# Altium PCB Fri3D_2020_Sweet4x4_01.PcbDoc (part 2 of 2)
Units mm, origin at the board's own origin, x right, y up, seen from the top; angles counter-clockwise.
Board outline 120 x 95 mm, 2 copper layers (Top Layer, Bottom Layer), stack 1.571 mm thick; 83 components, 47 nets, 500 pads, 32 vias.
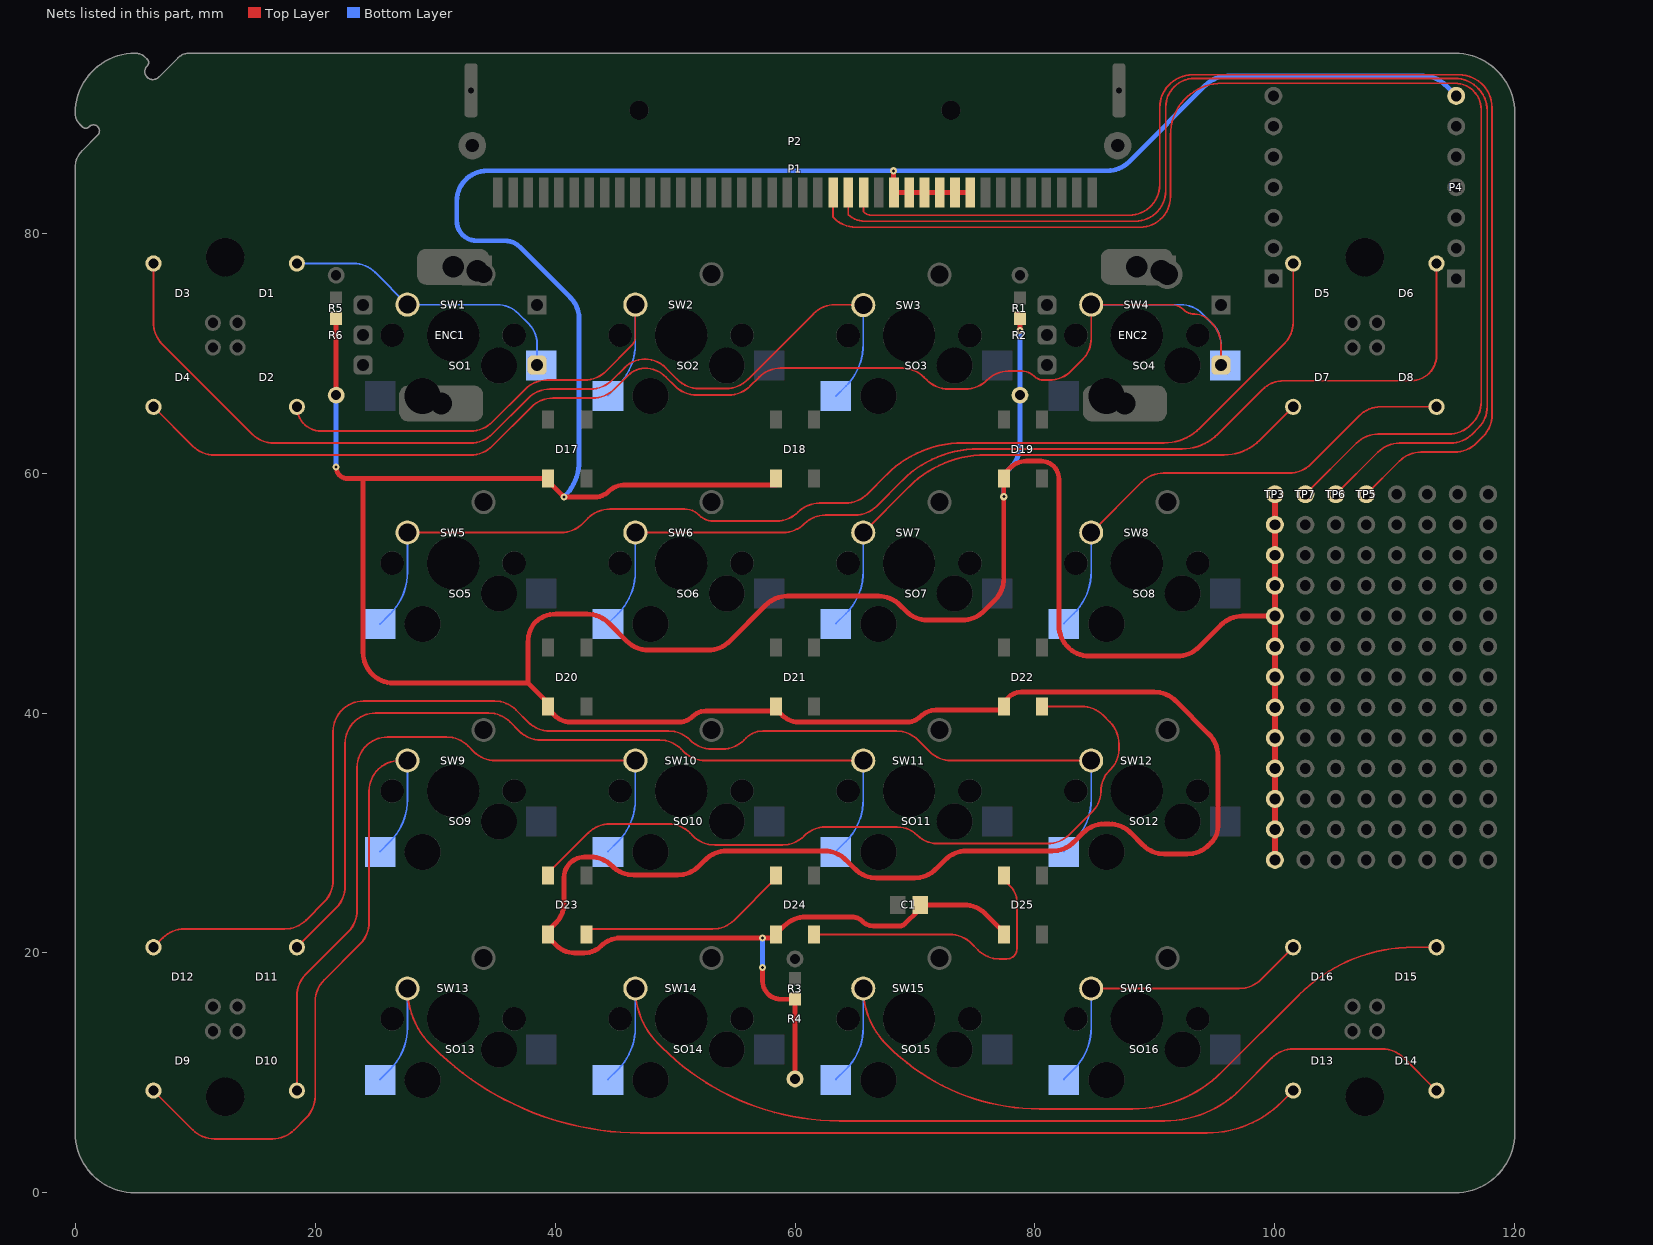
[diagram p2: the nets of this part, all layers, seen from the top]

## Via types
v1: diameter 0.6, hole 0.25, Top Layer to Bottom Layer, tented top, 32 vias

## Nets (pads, with @x,y where several pads share a name; then routed paths per layer and width w, separated by ;. In a path a pad name is that pad's centre, name@x,y a point inside that pad or via, vN(x,y) a via of type N, cw(c..) or ccw(c..) an arc to the next point about the centre after c; other vN are vias at no path point) (continued)
NetD22_2: D22.2 D23.4 | length 63.8
  Top Layer w0.15: D23.4@39.238,26.47 42.774,30.006 cw(c44.57,28.21) 44.57,30.75 49.448,30.75 cw(c49.448,28.21) 51.244,30.006 51.506,29.744 ccw(c53.302,31.54) 53.302,29 58.948,29 ccw(c58.948,31.54) 60.744,29.744 60.756,29.756 cw(c62.552,27.96) 62.552,30.5 68.524,30.5 cw(c68.524,28.144) 70.189,29.811 cw(c68.524,28.144) 70.19,29.81 ccw(c71.856,31.476) 70.191,29.809 ccw(c71.856,31.476) 71.856,29.12 81.068,29.12 ccw(c81.068,31.66) 82.864,29.864 84.812,31.812 ; D22.2@80.6,40.55 83.898,40.55 cw(c83.898,38.01) 85.694,39.806 86.256,39.244 cw(c84.46,37.448) 87,37.448 87,36.969 cw(c84.661,36.969) 86.315,35.315 86.226,35.226 ; 84.813,31.813 ccw(c83.15,33.473) 85.5,33.473 cw(c87.979,33.473) 86.225,35.225
NetD23_2: D23.2 D24.4 | length 18.1
  Top Layer w0.15: D23.2@42.6,21.55 42.6,22 53.135,22 ccw(c53.135,24.54) 54.931,22.744 58.4,26.213 D24.4@58.4,26.45
NetD24_2: D24.2 D25.4 | length 24.5
  Top Layer w0.15: D24.2@61.6,21.55 72.898,21.55 cw(c72.898,19.01) 74.694,20.806 75.256,20.244 ccw(c77.052,22.04) 77.052,19.5 77.646,19.5 ccw(c77.646,20.354) 78.249,19.749 ; D25.4@77.4,26.45 77.4,26.1 77.95,25.55 ; 77.951,25.549 cw(c76.622,24.222) 78.5,24.222 78.5,20.354 cw(c77.646,20.354) 78.25,19.75
S1: D1.A ENC1.2 SO1.1 SW1.2 | length 24.8
  Bottom Layer w0.15: D1.A@18.475,77.475 23.203,77.475 cw(c23.203,74.935) 24.999,76.731 SW1.2@27.69,74.04 35.158,74.04 cw(c35.158,71.5) 36.954,73.296 37.793,72.457 ; 37.793,72.457 cw(c36.086,70.75) 38.5,70.75 ENC1.2@38.5,69
S2: D2.A SO2.2 SW2.2 | length 43.5
  Top Layer w0.15: D2.A@18.475,65.525 ccw(c20.5,65.525) 20.5,63.5 32.948,63.5 ccw(c32.948,66.04) 34.744,64.244 37.506,67.006 cw(c39.302,65.21) 39.302,67.75 42.448,67.75 ccw(c42.448,70.29) 44.244,68.494 46.364,70.614 ccw(c45.579,71.4) 46.69,71.4 SW2.2@46.69,74.04
  Bottom Layer w0.15: SO2.2@44.41,66.46 45.249,67.299 ccw(c41.771,70.778) 46.69,70.778 SW2.2@46.69,74.04 SW2.2@46.69,74.08
S3: D3.A SO3.2 SW3.2 | length 83
  Top Layer w0.15: D3.A@6.525,77.475 6.525,72.527 ccw(c9.065,72.527) 7.269,70.731 14.756,63.244 ccw(c16.552,65.04) 16.552,62.5 32.948,62.5 ccw(c32.948,65.04) 34.744,63.244 37.756,66.256 cw(c39.552,64.46) 39.552,67 42.948,67 ccw(c42.948,69.54) 44.744,67.744 45.793,68.793 cw(c47.5,67.086) 47.5,69.5 cw(c47.5,67.086) 49.207,68.793 50.206,67.794 ccw(c52.002,69.59) 52.002,67.05 54.248,67.05 ccw(c54.248,69.59) 56.044,67.794 61.546,73.296 cw(c63.342,71.5) 63.342,74.04 SW3.2@65.69,74.04
  Bottom Layer w0.15: SO3.2@63.41,66.42 64.249,67.259 ccw(c60.771,70.738) 65.69,70.738 SW3.2@65.69,74.04
S4: D4.A ENC2.2 SO4.1 SW4.2 | length 118
  Top Layer w0.15: D4.A@6.528,65.523 9.806,62.244 ccw(c11.602,64.04) 11.602,61.5 32.948,61.5 ccw(c32.948,64.04) 34.744,62.244 38.006,65.506 cw(c39.802,63.71) 39.802,66.25 43.138,66.25 ccw(c43.138,68.79) 44.934,66.994 46.05,68.11 ; 46.051,68.111 cw(c47.595,66.565) 47.452,68.745 cw(c47.453,66.205) 49.249,68.001 50.006,67.244 ccw(c51.802,69.04) 51.802,66.5 54.448,66.5 ccw(c54.448,69.04) 56.244,67.244 57.006,68.006 cw(c58.802,66.21) 58.802,68.75 68.948,68.75 cw(c68.948,66.21) 70.744,68.006 71.006,67.744 ccw(c72.802,69.54) 72.802,67 74.198,67 ccw(c74.198,69.54) 75.994,67.744 76.006,67.756 cw(c77.802,65.96) 77.802,68.5 78.934,68.5 cw(c78.934,67.134) 79.9,68.1 ccw(c80.745,68.945) 80.745,67.75 81.198,67.75 ccw(c81.198,70.29) 82.994,68.494 83.946,69.446 ccw(c82.15,71.242) 84.69,71.242 SW4.2@84.69,74.04 91.401,74.04 cw(c91.401,72.691) 92.355,73.645 ; 92.356,73.644 ccw(c93.309,74.599) 93.309,73.25 cw(c93.309,71.581) 94.489,72.761 94.756,72.494 cw(c92.96,70.698) 95.5,70.698 ENC2.2@95.5,69
  Bottom Layer w0.15: SW4.2@84.69,74.04 92.158,74.04 cw(c92.158,71.5) 93.954,73.296 94.793,72.457 cw(c93.086,70.75) 95.5,70.75 ENC2.2@95.5,69
S5: D5.A SO5.2 SW5.2 | length 94.4
  Top Layer w0.15: SW5.2@27.69,55.04 40.488,55.04 ccw(c40.488,57.58) 42.284,55.784 42.756,56.256 cw(c44.552,54.46) 44.552,57 50.793,57 cw(c50.793,55.293) 51.999,56.501 ; 52,56.5 ccw(c53.207,57.707) 53.207,56 58.448,56 ccw(c58.448,58.54) 60.244,56.744 60.256,56.756 cw(c62.052,54.96) 62.052,57.5 64.213,57.5 ccw(c64.213,60.04) 66.009,58.244 67.645,59.88 cw(c74.016,53.51) 74.016,62.519 90.787,62.519 ccw(c90.787,66.701) 93.744,63.744 100.781,70.781 ccw(c98.985,72.577) 101.525,72.577 D5.A@101.525,77.475
  Bottom Layer w0.15: SO5.2@25.41,47.42 26.249,48.259 ccw(c22.771,51.738) 27.69,51.738 SW5.2@27.69,55.04
S6: D6.A SO6.2 SW6.2 | length 88.2
  Top Layer w0.15: SW6.2@46.69,55.04 59.008,55.04 ccw(c59.008,57.532) 60.769,55.769 ccw(c59.008,57.532) 60.77,55.77 cw(c62.532,54.008) 60.771,55.771 cw(c62.532,54.008) 62.532,56.5 65.003,56.5 ccw(c65.003,59.04) 66.799,57.244 68.935,59.38 cw(c75.305,53.01) 75.305,62.019 92.287,62.019 ccw(c92.287,66.201) 95.244,63.244 98.956,66.956 cw(c100.752,65.16) 100.752,67.7 111.353,67.7 ccw(c111.353,69.822) 113.475,69.822 D6.A@113.475,77.475
  Bottom Layer w0.15: SO6.2@44.41,47.46 45.249,48.299 ccw(c41.771,51.778) 46.69,51.778 SW6.2@46.69,55.08
S7: D7.A SO7.2 SW7.2 | length 48
  Top Layer w0.15: SW7.2@65.69,55.04 69.53,58.88 cw(c75.901,52.51) 75.901,61.519 95.786,61.519 ccw(c95.786,65.701) 98.744,62.744 D7.A@101.525,65.525
  Bottom Layer w0.15: SO7.2@63.41,47.46 64.249,48.299 ccw(c60.771,51.778) 65.69,51.778 SW7.2@65.69,55.08
S8: D8.A SO8.2 SW8.2 | length 41.2
  Top Layer w0.15: SW8.2@84.69,55.04 88.906,59.256 cw(c90.702,57.46) 90.702,60 101.198,60 ccw(c101.198,62.54) 102.994,60.744 107.031,64.781 cw(c108.827,62.985) 108.827,65.525 D8.A@113.475,65.525
  Bottom Layer w0.15: SO8.2@82.41,47.46 83.249,48.299 ccw(c79.771,51.778) 84.69,51.778 SW8.2@84.69,55.08
S9: D9.A SO9.2 SW9.2 | length 57
  Top Layer w0.15: D9.A@6.525,8.525 9.806,5.244 ccw(c11.602,7.04) 11.602,4.5 16.448,4.5 ccw(c16.448,7.04) 18.244,5.244 19.256,6.256 ccw(c17.46,8.052) 20,8.052 20,15.948 cw(c22.54,15.948) 20.744,17.744 23.756,20.756 ccw(c21.96,22.552) 24.5,22.552 24.5,33.5 cw(c27.04,33.5) 24.965,34.965 cw(c27.04,33.5) 25.575,35.575 cw(c27.04,33.5) 27.04,36.04 SW9.2@27.69,36.04
  Bottom Layer w0.15: SO9.2@25.41,28.46 26.249,29.299 ccw(c22.771,32.778) 27.69,32.778 SW9.2@27.69,36.08
S10: D10.A SO10.2 SW10.2 | length 62.4
  Top Layer w0.15: D10.A@18.475,8.525 18.475,16.423 cw(c21.015,16.423) 19.219,18.219 22.756,21.756 ccw(c20.96,23.552) 23.5,23.552 23.5,35.46 cw(c26.04,35.46) 26.04,38 30.948,38 cw(c30.948,35.46) 32.744,37.256 33.216,36.784 ccw(c35.012,38.58) 35.012,36.04 SW10.2@46.69,36.04
  Bottom Layer w0.15: SO10.2@44.41,28.46 45.249,29.299 ccw(c41.771,32.778) 46.69,32.778 SW10.2@46.69,36.08
S11: D11.A SO11.2 SW11.2 | length 72.7
  Top Layer w0.15: D11.A@18.475,20.475 21.756,23.756 ccw(c19.96,25.552) 22.5,25.552 22.5,37.46 cw(c25.04,37.46) 25.04,40 34.448,40 cw(c34.448,37.46) 36.244,39.256 37.006,38.494 ccw(c38.802,40.29) 38.802,37.75 48.698,37.75 cw(c48.698,35.21) 50.494,37.006 50.716,36.784 ccw(c52.512,38.58) 52.512,36.04 SW11.2@65.69,36.04
  Bottom Layer w0.15: SO11.2@63.41,28.46 64.249,29.299 ccw(c60.771,32.778) 65.69,32.778 SW11.2@65.69,36.08
S12: D12.A SO12.2 SW12.2 | length 105.4
  Top Layer w0.15: D12.A@6.525,20.475 7.306,21.256 cw(c9.102,19.46) 9.102,22 17.448,22 ccw(c17.448,24.54) 19.244,22.744 20.756,24.256 ccw(c18.96,26.052) 21.5,26.052 21.5,38.46 cw(c24.04,38.46) 24.04,41 34.948,41 cw(c34.948,38.46) 36.744,40.256 37.756,39.244 ccw(c39.552,41.04) 39.552,38.5 49.448,38.5 cw(c49.448,35.96) 51.244,37.756 51.256,37.744 ccw(c53.052,39.54) 53.052,37 53.948,37 ccw(c53.948,39.54) 55.744,37.744 55.918,37.918 cw(c57.324,36.512) 57.324,38.5 68.448,38.5 cw(c68.448,35.96) 70.244,37.756 71.216,36.784 ccw(c73.012,38.58) 73.012,36.04 SW12.2@84.69,36.04
  Bottom Layer w0.15: SO12.2@82.41,28.46 83.249,29.299 ccw(c79.771,32.778) 84.69,32.778 SW12.2@84.69,36.08
S13: D13.A SO13.2 SW13.2 | length 88.5
  Top Layer w0.15: SW13.2@27.69,17.04 ccw(c34.341,17.04) 29.638,12.337 29.793,12.182 ccw(c47.131,29.52) 47.131,5 94.336,5 ccw(c94.336,13.845) 100.59,7.591 D13.A@101.525,8.525
  Bottom Layer w0.15: SO13.2@25.41,9.46 26.249,10.299 ccw(c22.771,13.778) 27.69,13.778 SW13.2@27.69,17.08
S14: D14.A SO14.2 SW14.2 | length 83.4
  Top Layer w0.15: SW14.2@46.69,17.04 ccw(c53.208,17.04) 48.599,12.431 48.904,12.126 ccw(c63.694,26.916) 63.694,6 90.796,6 ccw(c90.796,14.941) 97.119,8.619 99.756,11.256 cw(c101.552,9.46) 101.552,12 108.948,12 cw(c108.948,9.46) 110.744,11.256 D14.A@113.475,8.525
  Bottom Layer w0.15: SO14.2@44.41,9.46 45.249,10.299 ccw(c41.771,13.778) 46.69,13.778 SW14.2@46.69,17.08
S15: D15.A SO15.2 SW15.2 | length 65.4
  Top Layer w0.15: SW15.2@65.69,17.04 ccw(c72.281,17.04) 67.62,12.38 67.775,12.225 ccw(c80.389,24.839) 80.389,7 88.129,7 ccw(c88.129,17.553) 95.591,10.091 102.015,16.515 cw(c111.575,6.954) 111.575,20.475 D15.A@113.475,20.475
  Bottom Layer w0.15: SO15.2@63.41,9.46 64.249,10.299 ccw(c60.771,13.778) 65.69,13.778 SW15.2@65.69,17.08
S16: D16.A SO16.2 SW16.2 | length 26.5
  Top Layer w0.15: SW16.2@84.69,17.04 97.038,17.04 ccw(c97.038,19.58) 98.834,17.784 D16.A@101.525,20.475
  Bottom Layer w0.15: SO16.2@82.41,9.46 83.249,10.299 ccw(c79.771,13.778) 84.69,13.778 SW16.2@84.69,17.08
SPI.MISO: P1.24 P2.24 TP6.1 | length 107.2
  Top Layer w0.15: 64.445,81.555 P1.24@64.445,83.4 ; 64.446,81.554 ccw(c65.785,82.895) 65.785,81 88.36,81 ccw(c88.36,83.54) 90.9,83.54 90.9,90.5 cw(c93.3,90.5) 93.3,92.9 115,92.9 cw(c115,90.2) 117.7,90.2 117.7,65.552 cw(c115.16,65.552) 116.956,63.756 116.444,63.244 cw(c114.648,65.04) 114.648,62.5 110.392,62.5 ccw(c110.392,59.96) 108.596,61.756 TP6.1@105.08,58.24
SPI.MOSI: P1.25 P2.25 TP5.1 | length 104.2
  Top Layer w0.15: P1.25@65.715,83.4 65.715,81.785 65.75,81.75 ccw(c66.354,82.354) 66.354,81.5 87.86,81.5 ccw(c87.86,84.04) 90.4,84.04 90.4,90.46 cw(c93.14,90.46) 93.14,93.2 115.36,93.2 cw(c115.36,90.46) 118.1,90.46 118.1,64.852 cw(c115.56,64.852) 117.356,63.056 116.794,62.494 cw(c114.998,64.29) 114.998,61.75 112.182,61.75 ccw(c112.182,59.21) 110.386,61.006 TP5.1@107.62,58.24
SPI.SCLK: P1.23 P2.23 TP7.1 | length 109.1
  Top Layer w0.15: P1.23@63.175,83.4 63.175,81.325 63.256,81.244 ccw(c65.052,83.04) 65.052,80.5 88.76,80.5 ccw(c88.76,83.04) 91.3,83.04 91.3,88.2 cw(c95.6,88.2) 95.6,92.5 115,92.5 cw(c115,90.3) 117.2,90.3 117.2,65.952 cw(c114.66,65.952) 116.456,64.156 116.294,63.994 cw(c114.498,65.79) 114.498,63.25 108.602,63.25 ccw(c108.602,60.71) 106.806,62.506 TP7.1@102.54,58.24
VSYS: C1.1 D17.1 D18.1 D19.1 D20.1 D21.1 D22.1 D23.1 D24.1 D25.1 P1.27 P1.28 P1.29 P1.30 P1.31 P1.32 P2.27 P2.28 P2.29 P2.30 P2.31 P2.32 P4.7 pad.0@100,27.76 pad.0@100,30.3 pad.0@100,32.84 pad.0@100,35.38 pad.0@100,37.92 pad.0@100,40.46 pad.0@100,43 pad.0@100,45.54 pad.0@100,48.08 pad.0@100,50.62 pad.0@100,53.16 pad.0@100,55.7 R1.1 R2.1 R3.1 R4.1 R5.1 R6.1 TP3.1 | length 542.3
  Top Layer w0.4: v1(21.75,60.5) ccw(c22.7,60.5) 22.7,59.55 24,59.55 ; R6.1@21.75,66.5 R5.1@21.75,72.9 ; 51.46,39.71 cw(c50.349,40.822) 50.349,39.25 41.278,39.25 cw(c41.278,41.128) 39.95,39.8 39.4,40.35 D20.1@39.4,40.55 39.4,40.85 37.75,42.5 ; 51.461,39.711 cw(c52.568,38.603) 52.568,40.169 58.4,40.169 D21.1@58.4,40.35 ; v1(57.295,18.8) 57.295,17.659 ccw(c58.803,17.659) 58.803,16.15 R3.1@60,16.15 R4.1@60,9.5 ; D21.1@58.4,40.55 D21.1@58.4,40.35 ; D18.1@58.4,59.55 58.4,59 45.707,59 ccw(c45.707,57.293) 44.5,58.5 cw(c43.293,59.707) 43.293,58 v1(40.75,58) 39.4,59.35 D17.1@39.4,59.55 24,59.55 ; 65.625,22.625 ccw(c66.53,23.53) 66.53,22.25 68.74,22.25 ccw(c68.74,22.817) 69.141,22.416 70.255,23.53 ccw(c69.786,24) C1.1@70.45,24 74.123,24 cw(c74.123,21.565) 75.844,23.287 ; 65.624,22.626 ccw(c64.72,21.72) 64.72,23 60.902,23 ccw(c60.902,20.46) 59.106,22.256 D24.1@58.4,21.55 58.1,21.25 v1(57.295,21.25) 45.451,21.25 ccw(c45.451,18.954) 43.828,20.578 ccw(c45.451,18.954) 43.827,20.577 cw(c42.433,21.971) 42.433,20 41.617,20 cw(c41.617,22.093) 40.137,20.613 39.4,21.35 D23.1@39.4,21.55 39.4,21.84 40.075,22.515 ccw(c38.445,24.145) 40.076,22.516 ccw(c38.445,24.145) 40.75,24.145 40.75,26.293 cw(c42.457,26.293) 41.25,27.5 cw(c42.457,26.293) 42.457,28 42.948,28 cw(c42.948,25.46) 44.744,27.256 44.756,27.244 ccw(c46.552,29.04) 46.552,26.5 50.198,26.5 ccw(c50.198,29.04) 51.994,27.244 52.506,27.756 cw(c54.302,25.96) 54.302,28.5 62.448,28.5 cw(c62.448,25.96) 64.244,27.756 65.006,26.994 ccw(c66.802,28.79) 66.802,26.25 69.948,26.25 ccw(c69.948,28.79) 71.744,26.994 72.506,27.756 cw(c74.302,25.96) 74.302,28.5 81.448,28.5 ccw(c81.448,31.04) 83.244,29.244 84.006,30.006 cw(c85.802,28.21) 85.802,30.75 86.198,30.75 cw(c86.198,28.21) 87.994,30.006 89.006,28.994 ccw(c90.802,30.79) 90.802,28.25 92.698,28.25 ccw(c92.698,30.79) 94.494,28.994 94.71,29.21 ccw(c93.407,30.513) 95.25,30.513 95.25,36.448 ccw(c92.71,36.448) 94.506,38.244 91.744,41.006 ccw(c89.948,39.21) 89.948,41.75 78.851,41.75 ccw(c78.851,40.299) 77.825,41.325 77.4,40.9 D22.1@77.4,40.55 77.4,40.25 71.763,40.25 ccw(c71.763,38.407) 70.46,39.71 cw(c69.349,40.822) 69.349,39.25 60.278,39.25 cw(c60.278,41.128) 58.95,39.8 D21.1@58.4,40.35 ; v1(68.2,85.2) 68.2,83.455 P1.27@68.255,83.4 P1.28@69.525,83.4 P1.29@70.795,83.4 P1.30@72.065,83.4 P1.31@73.335,83.4 P1.32@74.605,83.4 ; 75.845,23.287 77.4,21.731 D25.1@77.4,21.55 ; v1(78.75,71.897) R1.1@78.75,72.9 ; pad.0@100,48.08 97.299,48.08 ccw(c97.299,45.54) 95.503,47.336 93.661,45.494 cw(c91.865,47.29) 91.865,44.75 84.54,44.75 cw(c84.54,47.29) 82,47.29 82,59.5 ccw(c80.5,59.5) 80.5,61 79.278,61 ccw(c79.278,59.122) 77.95,60.45 77.4,59.9 D19.1@77.4,59.55 v1(77.4,58.036) 77.4,51.202 cw(c74.86,51.202) 76.656,49.406 75.744,48.494 cw(c73.948,50.29) 73.948,47.75 71.052,47.75 cw(c71.052,50.29) 69.256,48.494 68.744,49.006 ccw(c66.948,47.21) 66.948,49.75 59.374,49.75 ccw(c59.374,47.21) 57.578,49.006 54.565,45.994 cw(c52.769,47.79) 52.769,45.25 47.774,45.25 cw(c47.774,47.79) 45.978,45.994 44.466,47.506 ccw(c42.67,45.71) 42.67,48.25 40.058,48.25 ccw(c40.058,45.756) 38.295,47.519 ccw(c40.29,45.948) 37.75,45.948 37.75,42.5 ; 24,59.55 24,45.04 ccw(c26.54,45.04) 26.54,42.5 37.75,42.5
  Top Layer w0.5: pad.0@100,27.76 pad.0@100,30.3 pad.0@100,32.84 pad.0@100,35.38 pad.0@100,37.92 pad.0@100,40.46 pad.0@100,43 pad.0@100,45.54 pad.0@100,48.08 pad.0@100,50.62 pad.0@100,53.16 pad.0@100,55.7 TP3.1@100,58.24
  Bottom Layer w0.4: v1(21.75,60.5) R6.1@21.75,66.5 ; v1(40.75,58) ccw(c37.732,61.018) 42,61.018 42,72.9 ccw(c39.586,72.9) 41.293,74.607 37.039,78.861 ccw(c35.812,77.633) 35.812,79.369 33.465,79.369 cw(c33.465,81.034) 31.8,81.034 31.8,82.66 cw(c34.34,82.66) 34.34,85.2 v1(68.2,85.2) 86.048,85.2 ccw(c86.048,87.74) 87.844,85.944 94.256,92.356 cw(c96.052,90.56) 96.052,93.1 112.408,93.1 cw(c112.408,90.56) 114.204,92.356 P4.7@115.115,91.445 ; v1(57.295,18.8) v1(57.295,21.25) ; v1(77.4,58.036) 77.4,59.043 cw(c79.469,59.043) 78.006,60.506 ccw(c76.21,62.302) 78.75,62.302 R2.1@78.75,66.5 v1(78.75,71.897)
pads on no net: ENC1.MH2 ENC2.MH2 P1.M1 P1.M2 P2.0 P2.M1 P2.M2 SO1.0 SO2.0 SO3.0 SO4.0 SO5.0 SO6.0 SO7.0 SO8.0 SO9.0 SO10.0 SO11.0 SO12.0 SO13.0 SO14.0 SO15.0 SO16.0 SW1.0 SW2.0 SW3.0 SW4.0 SW5.0 SW6.0 SW7.0 SW8.0 SW9.0 SW10.0 SW11.0 SW12.0 SW13.0 SW14.0 SW15.0 SW16.0

## Polygon pours and split planes (outlines as drawn)
GND on Bottom Layer "NONET_L-01_P-001" (solid, remove dead copper, pour order 0): 0,95 120,95 120,0 0,0
GND on Top Layer "NONET_L-01_P-001" (solid, remove dead copper, pour order 1): 0,95 120,95 120,0 0,0

## Keep-outs
Keep-Out Layer:
  circle w0.254: c12.5,8 r3
  circle w0.254: c12.5,78 r3
  circle w0.254: c107.5,78 r3
  circle w0.254: c107.5,8 r3
  text ".Layer_Name" at 264.902,-46.311 h3.5

## Other copper
Top Layer:
  text ".Layer_Name" at 264.902,-46.311 h3.5
Bottom Layer:
  text ".Layer_Name" at 264.902,-46.311 h3.5

## Silkscreen, mask and mechanical layers (free items; w line width, h text height)
Top Overlay:
  drawing of 127 lines, arcs and shapes, not listed
  text "+VSYS" at 100.654,59.78 h2.5 r90
  text "SCLK" at 103.194,59.78 h2.5 r90
  text "MISO" at 105.734,59.78 h2.5 r90
  text "MOSI" at 108.274,59.78 h2.5 r90
  text "IO4" at 110.814,59.78 h2.5 r90
  text "SDA*" at 113.381,59.78 h2.5 r90
  text "SCL*" at 115.921,59.78 h2.5 r90
  text "GND" at 118.434,59.78 h2.5 r90
  text "GND" at 118.434,21.376 h2.5 r90
  text "+VSYS" at 100.654,20.456 h2.5 r90
  text "LEDo" at 103.194,20.456 h2.5 r90
  text "IO36" at 105.799,20.456 h2.5 r90
  text "IO25" at 108.274,20.456 h2.5 r90
  text "IO39" at 110.814,20.456 h2.5 r90
  text "IO2" at 113.354,20.456 h2.5 r90
  text ".Layer_Name" at 264.902,-46.311 h3.5
Bottom Overlay:
  drawing of 133 lines, arcs and shapes, not listed
  text "Wim" at 117,5 h2 r351
  text "DRIES" at 116,2 h2 r351
  text ".PCB_TITLE / Rev. .PCB_Rev" at 120,1 h3
  text ".Layer_Name" at 264.902,-46.311 h3.5
Top Paste:
  rectangle: 86.4,89.6 87.6,94.24
  rectangle: 32.4,89.6 33.6,94.24
  region: 31.9,87.3 ccw(c33.1,87.3) 33.1,86.1 ccw(c33.1,87.3) 34.3,87.3 ccw(c33.1,87.3) 33.1,88.5 ccw(c33.1,87.3)
  region: 85.7,87.3 ccw(c86.9,87.3) 86.9,86.1 ccw(c86.9,87.3) 88.1,87.3 ccw(c86.9,87.3) 86.9,88.5 ccw(c86.9,87.3)
  text ".Layer_Name" at 264.902,-46.311 h3.5
Bottom Paste:
  text ".Layer_Name" at 264.902,-46.311 h3.5
Top Solder:
  text ".Layer_Name" at 264.902,-46.311 h3.5
Bottom Solder:
  text ".Layer_Name" at 264.902,-46.311 h3.5
Drill Guide:
  text ".Layer_Name" at 264.902,-46.311 h3.5
3D Symbols:
  text ".Layer_Name" at 264.902,-46.311 h3.5
Outline:
  lines w0.1: 4.146,93.146 cw(c4.5,92.793) 4.854,93.146 ; 4.149,93.149 1.854,90.854 ccw(c2.207,90.5) 1.854,90.146 3.146,88.854 ccw(c3.5,89.207) 3.854,88.854 6.149,91.149 ; 4.851,93.149 6.149,91.851 ; 6.146,91.146 ccw(c5.793,91.5) 6.146,91.854 ; 16.18,51.233 cw(c16.533,51.587) 16.538,52.087 ; 16.197,51.216 16.356,51.057 16.516,50.897 ; 16.485,53.084 cw(c16.48,53.584) 16.127,53.938 16.356,54.168 16.586,54.398 cw(c16.94,54.044) 17.44,54.039 17.788,53.69 ccw(c17.965,53.867) 18.142,53.69 18.438,53.986 cw(c18.937,53.991) 19.291,54.345 ; 16.485,53.085 16.834,52.736 cw(c16.657,52.559) 16.834,52.382 16.538,52.087 ; 16.533,50.88 ccw(c16.887,51.233) 17.387,51.238 ; 17.387,51.238 17.682,51.534 cw(c17.859,51.357) 18.036,51.534 18.385,51.185 ; 18.384,51.185 ccw(c18.884,51.18) 19.238,50.827 19.468,51.057 19.698,51.286 ccw(c19.344,51.64) 19.339,52.14 18.99,52.488 cw(c19.167,52.665) 18.99,52.842 19.286,53.138 ccw(c19.291,53.637) 19.645,53.991 ; 19.309,54.327 19.468,54.168 19.627,54.009 ; 120,10 130,10 130,85 120,85 ; 0,5 ccw(c5,5) 5,0 115,0 ccw(c115,5) 120,5 120,90 ccw(c115,90) 115,95 9.5,95 ccw(c9.5,93.669) 8.559,94.61 6.973,93.024 cw(c6.475,93.475) 6.024,93.973 ccw(c5.749,94.224) 6,94.5 5.854,94.646 ccw(c5,93.793) 5,95 ccw(c5,90) 0,90 ccw(c1.296,90) 0.379,89.084 0.627,88.836 ccw(c0.879,89.112) 1.154,88.86 cw(c1.525,88.525) 1.86,88.154 0.561,86.855 ccw(c1.916,85.5) 0,85.5 0,5 ; 5.5,27.5 ccw(c7,27.5) 7,26 18,26 ccw(c18,27.5) 19.5,27.5 19.5,40.1 ccw(c18,40.1) 18,41.6 7,41.6 ccw(c7,40.1) 5.5,40.1 5.5,27.5
Comments:
  region: -16,54.15 -16,50.05 -14.83,50.05 -14.83,54.15
  rectangle: -17.465,51.515 -13.365,52.685
  region: -6.585,53.6 -6.585,49.5 -5.415,49.5 -5.415,53.6
  rectangle: -8.05,51.015 -3.95,52.185
  lines w0.1: -18.3,46.8 ccw(c-17.8,46.8) -17.443,46.45 -17.025,46.45 cw(c-17.025,46.2) -16.775,46.2 -16.775,45.707 ; -18.3,46.825 -18.3,47.05 -18.3,47.275 ; -18.3,47.3 cw(c-17.8,47.3) -17.443,47.65 -17.025,47.65 ccw(c-17.025,47.9) -16.775,47.9 -16.775,48.393 ; -16.775,45.707 ccw(c-16.425,45.35) -16.425,44.85 -16.1,44.85 -15.775,44.85 ccw(c-15.775,45.35) -15.425,45.707 -15.425,46.2 cw(c-15.175,46.2) -15.175,46.45 -14.757,46.45 ccw(c-14.4,46.8) -13.9,46.8 ; -16.775,48.393 cw(c-16.425,48.75) -16.425,49.25 -16.1,49.25 -15.775,49.25 cw(c-15.775,48.75) -15.425,48.393 -15.425,47.9 ccw(c-15.175,47.9) -15.175,47.65 -14.757,47.65 cw(c-14.4,47.3) -13.9,47.3 ; -13.9,46.825 -13.9,47.05 -13.9,47.275 ; -12.815,52.015 ccw(c-12.315,52.015) -12.315,51.515 -11.25,51.515 cw(c-11.25,51.265) -11,51.265 -11,50.2 ccw(c-10.5,50.2) -10.5,49.7 -10.33,49.7 ccw(c-10.33,50.2) -9.83,50.2 -9.83,51.265 cw(c-9.58,51.265) -9.58,51.515 -8.515,51.515 ccw(c-8.515,52.015) -8.015,52.015 -8.015,52.185 ccw(c-8.515,52.185) -8.515,52.685 -9.58,52.685 cw(c-9.58,52.935) -9.83,52.935 -9.83,54 ccw(c-10.33,54) -10.33,54.5 -10.5,54.5 ccw(c-10.5,54) -11,54 -11,52.935 cw(c-11.25,52.935) -11.25,52.685 -12.315,52.685 ccw(c-12.315,52.185) -12.815,52.185 -12.815,52.015
  text ".Layer_Name" at 264.902,-46.311 h3.5
Fabrication:
  lines w0.15: 120.25,86 120.25,85.5 ; 120.75,85.5 120.25,85.5 ; 123,86.75 121.5,86.75 120.25,85.5
  text "V-CUT" at 123.4,86.35 h0.8
  text "Black Solder Mask" at -31,-7 h1.5
  text "White Silkscreen" at -31,-10 h1.5
  text "1.6mm Thickness" at -31,-16 h1.5
  text ".Layer_Name" at 264.902,-46.311 h3.5
Placebound Top:
  text ".Layer_Name" at 264.902,-46.311 h3.5
Placebound Bottom:
  text ".Layer_Name" at 264.902,-46.311 h3.5
Comments 2:
  region: 154.5,19 ccw(c157,19) 157,16.5 ccw(c157,19) 159.5,19 ccw(c157,19) 157,21.5 ccw(c157,19)
  region: 154.5,76 cw(c157,76) 157,78.5 cw(c157,76) 159.5,76 cw(c157,76) 157,73.5 cw(c157,76)
  lines w0.15: 176,115 -62.5,115 -62.5,-20 176,-20 176,115
Frame:
  drawing of 15 lines, arcs and shapes, not listed
  text "Document" at 260.402,-31.311 h2
  text ".PCB_TITLE" at 261.902,-36.811 h3.2
  text "Layer Name" at 260.402,-41.311 h2
  text "Date" at 260.402,-51.311 h2
  text "Rev" at 300.402,-51.311 h2
  text ".Print_Date" at 263.402,-56.811 h3.5
  text ".PCB_REV" at 304.902,-56.811 h4
  text "Desginer" at 210.402,-61.311 h2
  text "Document" at 260.402,-61.311 h2
  text ".Pcb_File_Name_No_Path" at 261.902,-66.311 h1.5
  text ".PCB_ENGINEER" at 214.902,-66.811 h4
Assembly Top:
  text ".Layer_Name" at 264.902,-46.311 h3.5
Assembly Bottom:
  text ".Layer_Name" at 264.902,-46.311 h3.5
Drill Drawing:
  circle w0.15: c181.59,58.444 r0.444
  circle w0.15: c181.59,44.444 r0.267
  circle w0.15: c181.59,44.444 r0.444
  lines w0.15: 180.343,33.4 326.289,33.4 ; 180.343,65.4 326.289,65.4 ; 187.742,31.4 187.742,67.4 ; 195.773,31.4 195.773,67.4 ; 211.402,31.4 211.402,67.4 ; 218.2,31.4 218.2,67.4 ; 228.037,31.4 228.037,67.4 ; 248.065,31.4 248.065,67.4 ; 255.983,31.4 255.983,67.4 ; 270.545,31.4 270.545,67.4 ; 291.905,31.4 291.905,67.4 ; 307.534,31.4 307.534,67.4 ; 180.343,31.4 326.289,31.4 326.289,67.4 180.343,67.4 180.343,31.4 ; 181.146,34.222 181.368,34.222 181.368,34 181.812,34 181.812,34.222 182.035,34.222 182.035,34.667 181.812,34.667 181.812,34.889 181.368,34.889 181.368,34.667 181.146,34.667 181.146,34.222 ; 181.146,36.444 181.59,36 182.035,36.444 181.59,36.889 181.146,36.444 ; 181.146,38 181.146,38.222 181.368,38.444 181.146,38.667 181.146,38.889 181.368,38.889 181.59,38.667 181.812,38.889 182.035,38.889 182.035,38.667 181.812,38.444 182.035,38.222 182.035,38 181.812,38 181.59,38.222 181.368,38 181.146,38 ; 181.146,40.889 182.035,40.889 181.59,40 181.146,40.889 ; 181.146,46 182.035,46 182.035,46.889 181.146,46.889 181.146,46 ; 181.146,48.222 181.368,48.222 181.59,48 181.812,48.222 182.035,48.222 181.812,48.444 182.035,48.667 181.812,48.667 181.59,48.889 181.368,48.667 181.146,48.667 181.368,48.444 181.146,48.222 ; 181.146,50.222 181.368,50.222 181.59,50 181.812,50.222 182.035,50.222 181.812,50.444 182.035,50.667 181.812,50.667 181.59,50.889 181.368,50.667 181.146,50.667 181.368,50.444 181.146,50.222 ; 181.146,60 182.035,60 182.035,60.889 181.146,60.889 181.146,60 ; 181.146,62.889 182.035,62.889 181.59,62 181.146,62.889 ; 181.324,40.711 181.857,40.711 181.59,40.178 181.324,40.711 ; 181.324,46.178 181.857,46.178 181.857,46.711 181.324,46.711 181.324,46.178 ; 181.324,50.311 181.457,50.311 181.59,50.178 181.724,50.311 181.857,50.311 181.724,50.444 181.857,50.578 181.724,50.578 181.59,50.711 181.457,50.578 181.324,50.578 181.457,50.444 181.324,50.311
  text "Symbol" at 181.543,66 h0.96
  text "Count" at 188.342,66 h0.96
  text "Hole Size" at 196.373,66 h0.96
  text "Plated" at 212.002,66 h0.96
  text "Hole Type" at 218.8,66 h0.96
  text "Drill Layer Pair" at 228.637,66 h0.96
  text "Via/Pad" at 248.665,66 h0.96
  text "Pad Shape" at 256.583,66 h0.96
  text "Template" at 271.145,66 h0.96
  text "Hole Length" at 292.505,66 h0.96
  text "Routed Path Length" at 308.134,66 h0.96
  text "1" at 188.342,64 h0.8
  text "1,800mm (70,87mil)" at 196.373,64 h0.8
  text "PTH" at 212.002,64 h0.8
  text "Round" at 218.8,64 h0.8
  text "Top Layer - Bottom Layer" at 228.637,64 h0.8
  text "Pad" at 248.665,64 h0.8
  text "Rounded" at 256.583,64 h0.8
  text "c250h180m250" at 271.145,64 h0.8
  text "-" at 292.505,64 h0.8
  text "-" at 308.134,64 h0.8
  text "E" at 181.144,63.85 h0.89
  text "2" at 188.342,62 h0.8
  text "0,500mm (19,69mil)" at 196.373,62 h0.8
  text "PTH" at 212.002,62 h0.8
  text "Slot" at 218.8,62 h0.8
  text "Top Layer - Bottom Layer" at 228.637,62 h0.8
  text "Pad" at 248.665,62 h0.8
  text "Rounded Rectangle" at 256.583,62 h0.8
  text "r110_450h50_180r50x110_250" at 271.145,62 h0.8
  text "1,800mm (70,87mil)" at 292.505,62 h0.8
  text "1,300mm (51,18mil)" at 308.134,62 h0.8
  text "2" at 188.342,60 h0.8
  text "1,100mm (43,31mil)" at 196.373,60 h0.8
  text "PTH" at 212.002,60 h0.8
  text "Round" at 218.8,60 h0.8
  text "Top Layer - Bottom Layer" at 228.637,60 h0.8
  text "Pad" at 248.665,60 h0.8
  text "Rounded" at 256.583,60 h0.8
  text "c230h110x180" at 271.145,60 h0.8
  text "-" at 292.505,60 h0.8
  text "-" at 308.134,60 h0.8
  text "2" at 188.342,58 h0.8
  text "1,600mm (62,99mil)" at 196.373,58 h0.8
  text "NPTH" at 212.002,58 h0.8
  text "Round" at 218.8,58 h0.8
  text "Top Layer - Bottom Layer" at 228.637,58 h0.8
  text "Pad" at 248.665,58 h0.8
  text "Rounded" at 256.583,58 h0.8
  text "c160hn160" at 271.145,58 h0.8
  text "-" at 292.505,58 h0.8
  text "-" at 308.134,58 h0.8
  text "2" at 188.342,56 h0.8
  text "1,800mm (70,87mil)" at 196.373,56 h0.8
  text "PTH" at 212.002,56 h0.8
  text "Slot" at 218.8,56 h0.8
  text "Top Layer - Bottom Layer" at 228.637,56 h0.8
  text "Pad" at 248.665,56 h0.8
  text "Rectangle" at 256.583,56 h0.8
  text "s250h180_300" at 271.145,56 h0.8
  text "3,000mm (118,11mil)" at 292.505,56 h0.8
  text "1,200mm (47,24mil)" at 308.134,56 h0.8
  text "D" at 181.144,55.85 h0.89
  text "2" at 188.342,54 h0.8
  text "1,800mm (70,87mil)" at 196.373,54 h0.8
  text "PTH" at 212.002,54 h0.8
  text "Slot" at 218.8,54 h0.8
  text "Top Layer - Bottom Layer" at 228.637,54 h0.8
  text "Pad" at 248.665,54 h0.8
  text "Rounded Rectangle" at 256.583,54 h0.8
  text "r300_600h180_470r50" at 271.145,54 h0.8
  text "4,700mm (185,04mil)" at 292.505,54 h0.8
  text "2,900mm (114,17mil)" at 308.134,54 h0.8
  text "G" at 181.144,53.85 h0.89
  text "2" at 188.342,52 h0.8
  text "1,800mm (70,87mil)" at 196.373,52 h0.8
  text "PTH" at 212.002,52 h0.8
  text "Slot" at 218.8,52 h0.8
  text "Top Layer - Bottom Layer" at 228.637,52 h0.8
  text "Pad" at 248.665,52 h0.8
  text "Rounded Rectangle" at 256.583,52 h0.8
  text "r300_700h180_550r50" at 271.145,52 h0.8
  text "5,500mm (216,54mil)" at 292.505,52 h0.8
  text "3,700mm (145,67mil)" at 308.134,52 h0.8
  text "F" at 181.144,51.85 h0.89
  text "4" at 188.342,50 h0.8
  text "3,200mm (125,98mil)" at 196.373,50 h0.8
  text "NPTH" at 212.002,50 h0.8
  text "Round" at 218.8,50 h0.8
  text "Top Layer - Bottom Layer" at 228.637,50 h0.8
  text "Pad" at 248.665,50 h0.8
  text "Rounded" at 256.583,50 h0.8
  text "c320hn320m470" at 271.145,50 h0.8
  text "-" at 292.505,50 h0.8
  text "-" at 308.134,50 h0.8
  text "10" at 188.342,48 h0.8
  text "1,000mm (39,37mil)" at 196.373,48 h0.8
  text "PTH" at 212.002,48 h0.8
  text "Round" at 218.8,48 h0.8
  text "Top Layer - Bottom Layer" at 228.637,48 h0.8
  text "Pad" at 248.665,48 h0.8
  text "(Mixed)" at 256.583,48 h0.8
  text "(Mixed)" at 271.145,48 h0.8
  text "-" at 292.505,48 h0.8
  text "-" at 308.134,48 h0.8
  text "22" at 188.342,46 h0.8
  text "4,369mm (172,00mil)" at 196.373,46 h0.8
  text "NPTH" at 212.002,46 h0.8
  text "Round" at 218.8,46 h0.8
  text "Top Layer - Bottom Layer" at 228.637,46 h0.8
  text "Pad" at 248.665,46 h0.8
  text "Rounded" at 256.583,46 h0.8
  text "c437hn437m450" at 271.145,46 h0.8
  text "-" at 292.505,46 h0.8
  text "-" at 308.134,46 h0.8
  text "31" at 188.342,44 h0.8
  text "1,499mm (59,00mil)" at 196.373,44 h0.8
  text "PTH" at 212.002,44 h0.8
  text "Round" at 218.8,44 h0.8
  text "Top Layer - Bottom Layer" at 228.637,44 h0.8
  text "Pad" at 248.665,44 h0.8
  text "Rounded" at 256.583,44 h0.8
  text "c201h150m201" at 271.145,44 h0.8
  text "-" at 292.505,44 h0.8
  text "-" at 308.134,44 h0.8
  text "32" at 188.342,42 h0.8
  text "0,250mm (9,84mil)" at 196.373,42 h0.8
  text "PTH" at 212.002,42 h0.8
  text "Round" at 218.8,42 h0.8
  text "Top Layer - Bottom Layer" at 228.637,42 h0.8
  text "Via" at 248.665,42 h0.8
  text "Rounded" at 256.583,42 h0.8
  text "v60h25m0mx50" at 271.145,42 h0.8
  text "-" at 292.505,42 h0.8
  text "-" at 308.134,42 h0.8
  text "C" at 181.144,41.85 h0.89
  text "34" at 188.342,40 h0.8
  text "3,000mm (118,11mil)" at 196.373,40 h0.8
  text "NPTH" at 212.002,40 h0.8
  text "Round" at 218.8,40 h0.8
  text "Top Layer - Bottom Layer" at 228.637,40 h0.8
  text "Pad" at 248.665,40 h0.8
  text "Rounded" at 256.583,40 h0.8
  text "(Mixed)" at 271.145,40 h0.8
  text "-" at 292.505,40 h0.8
  text "-" at 308.134,40 h0.8
  text "38" at 188.342,38 h0.8
  text "0,850mm (33,47mil)" at 196.373,38 h0.8
  text "PTH" at 212.002,38 h0.8
  text "Round" at 218.8,38 h0.8
  text "Top Layer - Bottom Layer" at 228.637,38 h0.8
  text "Pad" at 248.665,38 h0.8
  text "Rounded" at 256.583,38 h0.8
  text "(Mixed)" at 271.145,38 h0.8
  text "-" at 292.505,38 h0.8
  text "-" at 308.134,38 h0.8
  text "44" at 188.342,36 h0.8
  text "1,956mm (77,00mil)" at 196.373,36 h0.8
  text "NPTH" at 212.002,36 h0.8
  text "Round" at 218.8,36 h0.8
  text "Top Layer - Bottom Layer" at 228.637,36 h0.8
  text "Pad" at 248.665,36 h0.8
  text "Rounded" at 256.583,36 h0.8
  text "c196hn196m208" at 271.145,36 h0.8
  text "-" at 292.505,36 h0.8
  text "-" at 308.134,36 h0.8
  text "118" at 188.342,34 h0.8
  text "0,900mm (35,43mil)" at 196.373,34 h0.8
  text "PTH" at 212.002,34 h0.8
  text "Round" at 218.8,34 h0.8
  text "Top Layer - Bottom Layer" at 228.637,34 h0.8
  text "Pad" at 248.665,34 h0.8
  text "(Mixed)" at 256.583,34 h0.8
  text "(Mixed)" at 271.145,34 h0.8
  text "-" at 292.505,34 h0.8
  text "-" at 308.134,34 h0.8
  text "346 Total" at 188.342,32 h0.8
  text "Slot definitions :" at 181.543,30.034 h0.8
  text "Routed Path Length" at 195.359,30.034 h0.8
  text "= Calculated from tool start centre position to tool end centre position." at 210.108,30.034 h0.8
  text "Hole Length" at 195.359,28.667 h0.8
  text "= Routed Path Length + Tool Size = Slot length as defined in the PCB layout" at 204.643,28.667 h0.8
  text ".Layer_Name" at 264.902,-46.311 h3.5
Panel:
  text ".Layer_Name" at 264.902,-46.311 h3.5

## Dimensions
-62.5,-20 to -62.5,115 on Comments
-62.5,-20 to 176,-20 on Comments
130,10 to 0,5 on Fabrication
9.5,95 to 5,0 on Fabrication

## Text inside footprints (layer, text, board x,y; h text height)
P1: Comments "Insert PCB with contacts facing towards SMD pads" at 31.6,87.4 h0.8
P2: Comments "Insert PCB with contacts facing away from PCB" at 31.6,92.9 h0.8